# Altium PCB 400118.PcbDoc (part 1 of 3) (continued)
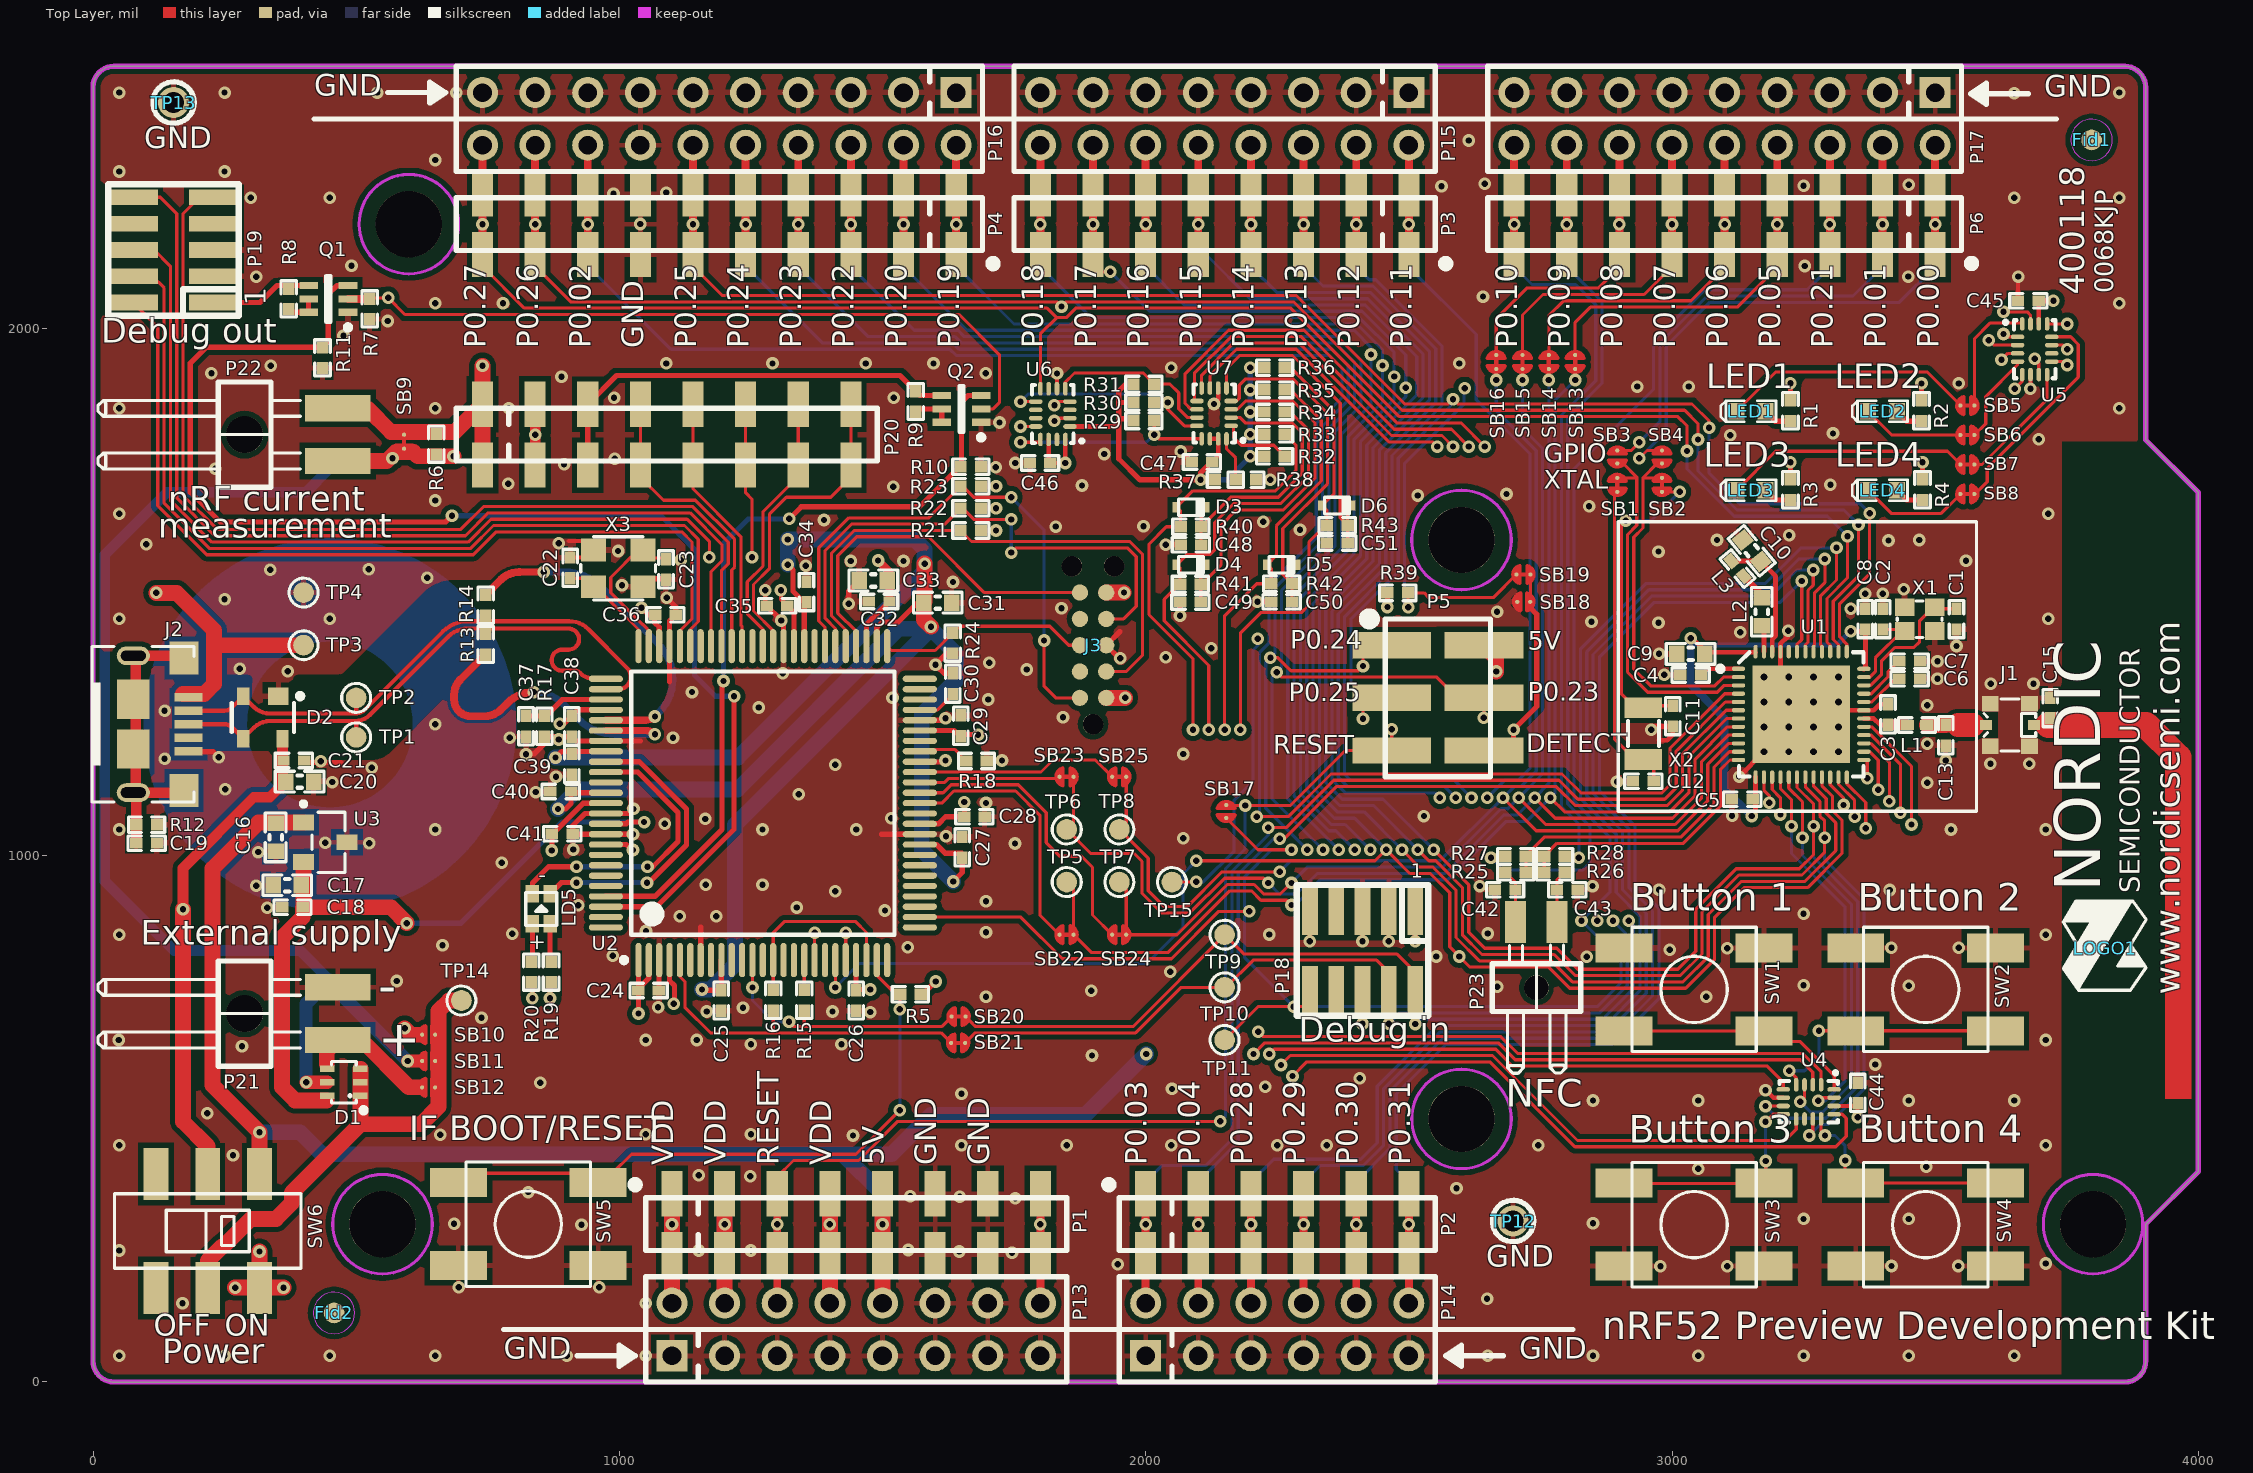
[diagram p0: Top Layer view]
## Components (designator, comment, footprint, x,y, rotation, side; value= is the part's Value field where it differs from the comment)
Bat1 "Bat Holder CR2032" CR2032_HOLDER_SMD 449.54,1248.46 r270 bottom
C1 "12pF" CAPC1005X04L 3540,1448.63 r270 top (schematic designator C7)
C2 "12pF" CAPC1005X04L 3400,1448.62 r90 top
C3 "0.8pF" CAPC1005X04L 3410,1267.62 r270 top (schematic designator C20)
C4 "100nF" CAPC1005X04L 3035,1342.62 r180 top (schematic designator C5)
C5 "100nF" CAPC1005X04L 3133,1106.62 r180 top (schematic designator C6)
C6 "N.C." CAPC1005X04L 3451,1335.62 r0 top (schematic designator C8)
C7 "100pF" CAPC1005X04L 3451,1368.62 r0 top (schematic designator C11)
C8 "100nF" CAPC1005X04L 3367,1448.62 r90 top (schematic designator C12)
C9 "4.7µF" CAPC1608X06L 3035,1382.62 r180 top
C10 "1.0µF" CAPC1608X06L 3151.03,1578.62 r310 top (schematic designator C7)
C11 "12pF" CAPC1005X04L 3001.15,1264.31 r90 top
C12 "12pF" CAPC1005X04L 2945.15,1140.31 r0 top
C13 "N.C." CAPC1005X04L 3519.54,1228.07 r270 top
C15 "1.2pF" CAPC1005X04L 3718.41,1279.62 r90 top
C16 "1.0µF" CAPC1608X06L 346.54,1034.06 r90 top
C17 "1.0µF" CAPC1608X06L 368.54,943.06 r0 top
C18 "100nF" CAPC1005X04L 378.54,901.06 r0 top
C19 "100nF" CAPC1005X04L 101.38,1023.06 r180 top
C20 "10µF" CAPC1608X06L 392.14,1140.06 r180 top
C21 "100nF" CAPC1005X04L 381.14,1180.06 r180 top
C22 "18pF" CAPC1005X04L 906.14,1546.06 r90 top
C23 "18pF" CAPC1005X04L 1088.14,1543.06 r270 top
C24 "100nF" CAPC1005X04L 1055.14,743.06 r180 top
C25 "100nF" CAPC1005X04L 1193.14,724.06 r90 top
C26 "100nF" CAPC1005X04L 1449.54,724.06 r90 top
C27 "100nF" CAPC1005X04L 1651.14,1015.06 r270 top
C28 "100nF" CAPC1005X04L 1674.14,1073.06 r180 top
C29 "100nF" CAPC1005X04L 1648.14,1246.06 r270 top
C30 "10nF" CAPC1005X04L 1633.14,1326.06 r270 top
C31 "10µF" CAPC1608X06L 1604.54,1480.06 r180 top
C32 "100nF" CAPC1005X04L 1493.14,1482.06 r0 top
C33 "10µF" CAPC1608X06L 1482.14,1522.06 r0 top
C34 "100nF" CAPC1005X04L 1355.14,1500.06 r270 top
C35 "100nF" CAPC1005X04L 1299.14,1474.06 r0 top
C36 "100nF" CAPC1005X04L 1087.14,1457.06 r0 top
C37 "10pF" CAPC1005X04L 822.14,1245.06 r90 top
C38 "100nF" CAPC1005X04L 909.14,1245.06 r90 top
C39 "100nF" CAPC1005X04L 909.14,1173.06 r90 top
C40 "100nF" CAPC1005X04L 888.14,1121.06 r0 top
C41 "100nF" CAPC1005X04L 891.14,1041.06 r180 top
C42 "130pF" CAPC1005X04L 2682.54,934.46 r180 top
C43 "130pF" CAPC1005X04L 2800.54,934.46 r180 top
C44 "100nF" CAPC1005X04L 3352.2,548.47 r270 top
C45 "100nF" CAPC1005X04L 3676.54,2053.46 r0 top
C46 "100nF" CAPC1005X04L 1798.84,1745.24 r0 top
C47 "100nF" CAPC1005X04L 2106.53,1747.24 r0 top
C48 "1.0µF" CAPC1005X04L 2085.53,1590.24 r180 top
C49 "1.0µF" CAPC1005X04L 2084.61,1481.24 r0 top
C50 "1.0µF" CAPC1005X04L 2257.84,1481.93 r0 top
C51 "1.0µF" CAPC1005X04L 2363.61,1593.16 r180 top
D1 "SD103ATW-7-F" SOT-363 507.54,543.06 r90 top
D2 "PRTR5V0U2X" SOT190P230X110-4L 322.14,1262.06 r270 top
D3 "1PS79SB30.115" SOD-523 2085.75,1661.24 r180 top
D4 "1PS79SB30.115" SOD-523 2085.84,1552.24 r180 top
D5 "1PS79SB30.115" SOD-523 2257.84,1552.24 r180 top
D6 "1PS79SB30.115" SOD-523 2362.84,1664.46 r180 top
Fid1 "Fiducial mark" Fiducial 3796.81,2359.06 r180 top
Fid2 "Fiducial mark" Fiducial 457.54,130.46 r0 top
J1 "MM8130-2600" COAXIAL-SWF 3641.41,1247.62 r90 top
J2 "MicroUSB-B" FCI_10118193-0001LF 181.38,1249.06 r0 top
J3 "TC2050-IDC" TC2050-IDC-NLFP 1899.54,1399.06 r90 top
L1 "3.9nH" INDC1005X04L 3465,1247.62 r0 top (schematic designator L2)
L2 "10µH" INDC1608X06L 3170,1462.62 r270 top (schematic designator L4)
L3 "15nH" INDC1005X04L 3124.03,1544.62 r310 top (schematic designator L5)
LD5 "LTST-C195KGJRKT" LED_DUAL_0606 851.14,898.06 r180 top (schematic designator LD3)
LED1 "L0603G" LED_0603_G 3149.53,1843.46 r0 top
LED2 "L0603G" LED_0603_G 3399.53,1843.46 r0 top
LED3 "L0603G" LED_0603_G 3149.53,1693.46 r0 top
LED4 "L0603G" LED_0603_G 3399.53,1693.46 r0 top
LOGO1 "Nordic Logo M" NORDIC_LOGO_M 3822.45,823.39 r90 top
P1 "Socket 1x8" SOCKET_1x8_SMD 1099.54,299.06 r0 top locked (schematic designator P11)
P2 "Socket 1x6" SOCKET_1x6_SMD 1999.54,299.06 r0 top locked (schematic designator P12)
P3 "Socket 1x8" SOCKET_1x8_SMD 2499.54,2199.06 r180 top locked (schematic designator P8)
P4 "Socket 1x10" SOCKET_1x10_SMD 1639.54,2199.06 r180 top locked (schematic designator P9)
P5 "Pin Hdr 2x3" "Molex 15-91-2060" 2554.54,1299.06 r270 top locked (schematic designator P6)
P6 "Socket 1x9" SOCKET_1x9_SMD 3499.54,2199.07 r180 top locked
P7 "Pin List 1x8" LIST_1x8_SMD 1099.54,299.06 r0 bottom locked (schematic designator POWER)
P8 "Pin List 1x6" LIST_1x6_SMD 1999.54,299.06 r0 bottom locked (schematic designator AD)
P9 "Pin List 1x8" LIST_1x8_SMD 2499.54,2199.06 r180 bottom locked (schematic designator IOL)
P10 "Pin List 1x10" LIST_1x10_SMD 1639.54,2199.06 r180 bottom locked (schematic designator IOH)
P11 "Socket 2x3" SOCKET_2x3_SMD-2.54mm-bottom 2554.54,1299.06 r270 top locked (schematic designator ICSP)
P12 "Pin List 1x9" LIST_1x9_SMD 3499.54,2199.07 r180 bottom locked
P13 "Pin Header 2x8" HDR_2x8 1449.54,99.06 r0 top locked
P14 "Pin Header 2x6" HDR_2x6 2249.54,99.06 r0 top locked
P15 "Pin Header 2x8" HDR_2x8 2149.54,2399.06 r180 top locked
P16 "Pin Header 2x10" HDR_2x10 1189.54,2399.06 r180 top locked
P17 "Pin Header 2x9" HDR_2x9 3099.54,2399.07 r180 top
P18 "FTSH-105" FTSH-105-K 2411.54,819.24 r180 top
P19 "FTSH-105" FTSH-105-K 152.54,2150.06 r90 top locked
P20 "Pin List 1x8" LIST_1x8_SMD 739.54,1799.06 r0 top
P21 "Pin List 1x2, Angled" LIST_ANG_1x2-SMD-2.54MM 464.54,699.06 r270 top
P22 "Pin List 1x2, Angled" LIST_ANG_1x2-SMD-2.54MM 464.54,1799.06 r270 top
P23 "Pin List 1x2, Angled" LIST_ANG_1x2-SMD-2.00MM 2702.54,873.46 r0 top
Q1 "FDG6321C" SOT65P210X100-6N 446.54,2057.06 r180 top
Q2 "FDG6321C" SOT65P210X100-6N 1649.54,1848.06 r180 top
R1 "220R" RESC1005X04L 3224.54,1844.46 r90 top
R2 "220R" RESC1005X04L 3473.54,1844.46 r90 top
R3 "220R" RESC1005X04L 3224.54,1694.46 r90 top
R4 "220R" RESC1005X04L 3475.54,1694.46 r90 top
R5 "10k" RESC1005X04L 1552.54,736.06 r0 top
R6 "N.C." RESC1005X04L 651.54,1781.06 r90 top
R7 "47k" RESC1005X04L 525.54,2038.06 r270 top
R8 "10k" RESC1005X04L 371.54,2057.06 r270 top
R9 "10k" RESC1005X04L 1562.54,1862.06 r270 top
R10 "10k" RESC1005X04L 1667.38,1738.06 r180 top
R11 "10k" RESC1005X04L 435.54,1945.06 r90 top
R12 "10k" RESC1005X04L 101.38,1058.06 r180 top
R13 "39R" RESC1005X04L 745.55,1400.77 r90 top
R14 "39R" RESC1005X04L 745.55,1475 r270 top
R15 "150R" RESC1005X04L 1350.88,724.46 r270 top
R16 "150R" RESC1005X04L 1291.88,724.46 r270 top
R17 "6k8" RESC1005X04L 857.14,1245.06 r90 top
R18 "1k" RESC1005X04L 1678.14,1179.06 r180 top
R19 "220R" RESC1005X04L 869.87,778.06 r270 top
R20 "220R" RESC1005X04L 832.41,778.06 r270 top
R21 "4k7" RESC1005X04L 1667.38,1617.06 r0 top
R22 "4k7" RESC1005X04L 1667.38,1659.06 r0 top
R23 "4k7" RESC1005X04L 1667.38,1701.06 r0 top
R24 "4k7" RESC1005X04L 1633.14,1403.06 r270 top
R25 "0R" RESC1005X04L 2702.38,968.06 r0 top
R26 "0R" RESC1005X04L 2776.38,968.06 r180 top
R27 "N.C." RESC1005X04L 2702.38,998.06 r0 top
R28 "N.C." RESC1005X04L 2776.38,998.06 r180 top
R29 "4k7" RESC1005X04L 1996.16,1825.24 r180 top
R30 "4k7" RESC1005X04L 1996.16,1860.24 r180 top
R31 "12k" RESC1005X04L 1996.16,1895.24 r180 top
R32 "12k" RESC1005X04L 2244.47,1758.09 r180 top
R33 "100k" RESC1005X04L 2244.47,1800.09 r180 top
R34 "100k" RESC1005X04L 2244.47,1842.09 r180 top
R35 "100k" RESC1005X04L 2244.47,1884.09 r180 top
R36 "100k" RESC1005X04L 2244.47,1926.09 r180 top
R37 "N.C." RESC1005X04L 2150.84,1713.24 r180 top
R38 "0R" RESC1005X04L 2190.21,1713.24 r180 top
R39 "1M0" RESC1005X04L 2478.54,1498.46 r180 top
R40 "18k" RESC1005X04L 2085.53,1624.24 r180 top
R41 "18k" RESC1005X04L 2084.61,1515.24 r180 top
R42 "18k" RESC1005X04L 2257.84,1515.93 r180 top
R43 "18k" RESC1005X04L 2363.61,1627.16 r180 top
SB1 "Solderbridge" Solderbridge_Shorted 2895.54,1690.46 r90 top net-tie
SB2 "Solderbridge" Solderbridge_Shorted 2980.54,1690.46 r90 top net-tie
SB3 "Solderbridge" Solderbridge#1 2895.54,1744.46 r90 top
SB4 "Solderbridge" Solderbridge#1 2980.54,1744.46 r90 top
SB5 "Solderbridge" Solderbridge_Shorted 3574.04,1854.46 r180 top net-tie (schematic designator SB6)
SB6 "Solderbridge" Solderbridge_Shorted 3574.04,1798.46 r180 top net-tie
SB7 "Solderbridge" Solderbridge_Shorted 3574.04,1742.46 r180 top net-tie
SB8 "Solderbridge" Solderbridge_Shorted 3574.04,1686.46 r180 top net-tie
SB9 "Solderbridge" Solderbridge_Shorted 590.54,1799.06 r270 top net-tie
SB10 "Solderbridge" Solderbridge#1 649.54,659.06 r180 top
SB11 "Solderbridge" Solderbridge#1 649.54,609.06 r180 top
SB12 "Solderbridge" Solderbridge#1 649.54,559.06 r180 top
SB13 "Solderbridge" Solderbridge_Shorted 2815.54,1950.46 r270 top net-tie
SB14 "Solderbridge" Solderbridge_Shorted 2765.54,1950.46 r270 top net-tie
SB15 "Solderbridge" Solderbridge_Shorted 2715.54,1950.46 r270 top net-tie
SB16 "Solderbridge" Solderbridge_Shorted 2665.54,1950.46 r270 top net-tie
SB17 "Solderbridge" Solderbridge#2 2152.54,1095.46 r270 top
SB18 "Solderbridge" Solderbridge#2 2705.54,1481.46 r0 top
SB19 "Solderbridge" Solderbridge_Shorted 2730.54,1533.46 r180 top net-tie
SB20 "Solderbridge" Solderbridge_Shorted 1657.55,693.46 r180 top net-tie
SB21 "Solderbridge" Solderbridge_Shorted 1656.55,643.46 r180 top net-tie
SB22 "Solderbridge" Solderbridge_Shorted 1862.54,849.06 r180 top net-tie
SB23 "Solderbridge" Solderbridge_Shorted 1862.54,1149.06 r180 top net-tie
SB24 "Solderbridge" Solderbridge_Shorted 1962.54,849.06 r180 top net-tie
SB25 "Solderbridge" Solderbridge_Shorted 1962.54,1149.06 r180 top net-tie
SW1 "PB SW" ALPS_SKHUxxx010_WO_GND 3041.53,745.12 r180 top
SW2 "PB SW" ALPS_SKHUxxx010_WO_GND 3481.53,745.12 r180 top
SW3 "PB SW" ALPS_SKHUxxx010_WO_GND 3041.53,298.12 r0 top
SW4 "PB SW" ALPS_SKHUxxx010_WO_GND 3481.53,298.12 r0 top
SW5 "PB SW" ALPS_SKHUxxx010_WO_GND 826.54,299.06 r0 top
SW6 "Switch" JS202011SCQN 217.54,286.06 r0 top
TP1 "Ø1.0mm,SMD" TP_SMD_Ø1.0mm 499.54,1224.06 r0 top
TP2 "Ø1.0mm,SMD" TP_SMD_Ø1.0mm 499.54,1299.06 r0 top
TP3 "Ø1.0mm,SMD" TP_SMD_Ø1.0mm 399.54,1399.06 r0 top
TP4 "Ø1.0mm,SMD" TP_SMD_Ø1.0mm 399.54,1499.06 r0 top
TP5 "Ø1.0mm,SMD" TP_SMD_Ø1.0mm 1849.54,949.06 r0 top
TP6 "Ø1.0mm,SMD" TP_SMD_Ø1.0mm 1849.54,1049.06 r0 top
TP7 "Ø1.0mm,SMD" TP_SMD_Ø1.0mm 1949.54,949.06 r0 top
TP8 "Ø1.0mm,SMD" TP_SMD_Ø1.0mm 1949.54,1049.06 r0 top
TP9 "Ø1.0mm,SMD" TP_SMD_Ø1.0mm 2149.54,849.06 r0 top
TP10 "Ø1.0mm,SMD" TP_SMD_Ø1.0mm 2149.54,749.06 r0 top
TP11 "Ø1.0mm,SMD" TP_SMD_Ø1.0mm 2149.54,649.06 r90 top
TP12 "TP" TESTPAD-TH 2697.54,305.06 r0 top
TP13 "TP" TESTPAD-TH 152.54,2430.06 r0 top
TP14 "Ø1.0mm,SMD" TP_SMD_Ø1.0mm 699.54,724.06 r270 top
TP15 "Ø1.0mm,SMD" TP_SMD_Ø1.0mm 2049.54,949.06 r90 top
U1 "nRF52832-QFAA" QFN40P600X600X90-48N 3245,1267.62 r0 top
U2 "ATSAM3U2CA-AU" TSQFP50P1600X1600X160-100N 1272.14,1099.06 r90 top locked
U3 "AP7333-33SAG-7" SOT-23A 399.54,1062.06 r270 top
U4 "NX3DV2567" XQFN40P180X260X50-16N 3259.2,531.47 r270 top
U5 "NX3DV2567" XQFN40P180X260X50-16N 3688.54,1961.46 r0 top
U6 "NX3DV2567" XQFN40P180X260X50-16N 1823.16,1838.24 r180 top
U7 "PCAL6408A" XQFN40P180X260X50-16N 2129.47,1839.46 r180 top
X1 "32MHz" BT-XTAL_2016 3470,1448.63 r180 top
X2 "32.768kHz" XTAL_3215 2945.15,1231.31 r270 top
X3 "12MHz" BT-XTAL_3225 997.14,1545.06 r180 top

## Footprints (in the part's own frame and the unit in brackets; to place one, negate y for a bottom-side part, rotate by r counter-clockwise, add the part's x,y. Pads: shape width x height; smd on the part's side, far side on the other; paste and mask are expansions set on the pad)
ALPS_SKHUxxx010_WO_GND [mm] "6.2×6.5mm TACT Switch, without ground connector"
  rect 2.75x1.4 smd: 1(-3.375,2) 1(3.375,2) 2(-3.375,-2) 2(3.375,-2)
  silkscreen extent -3,-3 3,3, body extent -4,-3 4,3.3, height 3.1
BT-XTAL_2016 [mm] "Crystal 2.0 x 1.6 mm"
  rect 0.95x0.85 smd: 1(-0.725,-0.575) 2(0.725,-0.575) 3(0.725,0.575) 4(-0.725,0.575)
  silkscreen extent -1.08,-0.88 1.08,0.88, body extent -1.05,-0.85 1.05,0.85, height 0.56
BT-XTAL_3225 [mm] "Mercury X32 series"
  rect 1.2x1.1 smd: 1(-1.194,-0.89) 2(1.194,-0.89) 3(1.194,0.891) 4(-1.194,0.891)
  silkscreen extent -1.8,-1.52 1.8,1.52, body extent -1.6,-1.25 1.61,1.25, height 0.81
CAPC1005X04L [mm] "Chip Capacitor, 2-Leads, Body 1.0x0.5mm, IPC High Density"
  rect 0.6x0.5 smd: 1(-0.5,0) 2(0.5,0)
  silkscreen extent -0.9,-0.35 0.9,0.35, body extent -0.51,-0.25 0.51,0.25, height 0.5
CAPC1608X06L [mm] "Chip Capacitor, 2-Leads, Body 1.6x0.8mm, IPC High Density"
  rect 0.75x0.8 smd: 1(-0.675,0) 2(0.675,0)
  silkscreen extent -1.17,-0.5 1.17,0.5, body extent -0.8,-0.43 0.8,0.43, height 0.8
COAXIAL-SWF [mm]
  rect 0.5x0.58 smd: 1(0,1.16) 3(0,-1.16)
  rect 0.75x0.8 smd: 2(-1.025,-0.95) 2(-1.025,0.95) 2(1.025,-0.95) 2(1.025,0.95)
  Top Layer pour cut-out: 0.65,-0.55 -0.65,-0.55 -0.65,-1.35 0.65,-1.35
  Top Layer pour cut-out: -0.65,0.55 0.65,0.55 0.65,1.35 -0.65,1.35
  silkscreen extent -1.25,-1.25 1.25,1.25
CR2032_HOLDER_SMD [mm] "CR2032 - SMD mount coin cell bat holder"
  round 18 on Bottom Solder paste+0: 0(0,0)
  rect 5.08x5.08 smd: 1(-13.081,0) 1(13.081,0)
  rrect50% 10x10 smd paste-9: 2(0,0)
  Top Layer circle w5: c0,0 r6.5
  silkscreen extent -10.54,-9.53 10.54,11.43, body extent -15.37,-10.27 15.37,9.78, height 3.96
FCI_10118193-0001LF [mm] "Micro USB B SMT"
  rect 1.35x0.4 smd: 1(0,1.3) 2(0,0.65) 3(0,0) 4(0,-0.65) 5(0,-1.3)
  oval 1.6x0.9 hole 0.5 slot 1.2 at 0 deg: 6(-2.675,-3.3) 6(-2.675,3.3)
  oval 2x1.5 on Top Paste: 6(-2.675,-3.3) 6(-2.675,3.3)
  rect 1.55x1.9 smd: 6(-2.675,-1.2) 6(-2.675,1.2)
  rect 1.4x1.6 smd: 6(-0.225,-3.2) 6(-0.225,3.2)
  silkscreen extent -4.75,-3.75 0.25,3.75, body extent -5.28,-4.1 0.15,4.1, height 2.72
Fiducial [mm] "Fiducial Mark"
  round 1 smd paste-10 mask+0.5: 0(0,0)
  round 1 smd far side paste-10 mask+0.5: 0(0,0)
  Keep-Out Layer circle w0.01: c0,0 r1
FTSH-105-K [mm] "SMT MICRO HEADER, (1,27) .050\" Keying Shroud"
  rect 0.76x2.4 smd: 1(-2.54,-1.95) 2(-2.54,1.95) 3(-1.27,-1.95) 4(-1.27,1.95) 5(0,-1.95) 6(0,1.95) 7(1.27,-1.95) 8(1.27,1.95) 9(2.54,-1.95) 10(2.54,1.95)
  silkscreen extent -3.18,-3.15 3.18,3.15, body extent -3.14,-2.92 3.14,2.92, height 5.71
HDR_2x6 [mm] "Pin Header, 2.54mm through hole"
  rect 1.5x1.5 hole 0.9: 1(-6.35,-1.27)
  round 1.5 hole 0.9: 2(-6.35,1.27) 3(-3.81,-1.27) 4(-3.81,1.27) 5(-1.27,-1.27) 6(-1.27,1.27) 7(1.27,-1.27) 8(1.27,1.27) 9(3.81,-1.27) 10(3.81,1.27) 11(6.35,-1.27) 12(6.35,1.27)
  silkscreen extent -7.62,-2.54 7.62,2.54
HDR_2x8 [mm] "Pin Header, 2.54mm through hole"
  rect 1.5x1.5 hole 0.9: 1(-8.89,-1.27)
  round 1.5 hole 0.9: 2(-8.89,1.27) 3(-6.35,-1.27) 4(-6.35,1.27) 5(-3.81,-1.27) 6(-3.81,1.27) 7(-1.27,-1.27) 8(-1.27,1.27) 9(1.27,-1.27) 10(1.27,1.27) 11(3.81,-1.27) 12(3.81,1.27) 13(6.35,-1.27) 14(6.35,1.27) 15(8.89,-1.27) 16(8.89,1.27)
  silkscreen extent -10.16,-2.54 10.16,2.54
HDR_2x9 [mm] "Pin Header, 2.54mm through hole"
  rect 1.5x1.5 hole 0.9: 1(-10.16,-1.27)
  round 1.5 hole 0.9: 2(-10.16,1.27) 3(-7.62,-1.27) 4(-7.62,1.27) 5(-5.08,-1.27) 6(-5.08,1.27) 7(-2.54,-1.27) 8(-2.54,1.27) 9(0,-1.27) 10(0,1.27) 11(2.54,-1.27) 12(2.54,1.27) 13(5.08,-1.27) 14(5.08,1.27) 15(7.62,-1.27) 16(7.62,1.27) 17(10.16,-1.27) 18(10.16,1.27)
  silkscreen extent -11.43,-2.54 11.43,2.54
HDR_2x10 [mm] "Pin Header, 2.54mm through hole"
  rect 1.5x1.5 hole 0.9: 1(-11.43,-1.27)
  round 1.5 hole 0.9: 2(-11.43,1.27) 3(-8.89,-1.27) 4(-8.89,1.27) 5(-6.35,-1.27) 6(-6.35,1.27) 7(-3.81,-1.27) 8(-3.81,1.27) 9(-1.27,-1.27) 10(-1.27,1.27) 11(1.27,-1.27) 12(1.27,1.27) 13(3.81,-1.27) 14(3.81,1.27) 15(6.35,-1.27) 16(6.35,1.27) 17(8.89,-1.27) 18(8.89,1.27) 19(11.43,-1.27) 20(11.43,1.27)
  silkscreen extent -12.7,-2.54 12.7,2.54
INDC1005X04L [mm] "Chip Inductor, 2-Leads, Body 1.0x0.5mm, IPC High Density"
  rect 0.65x0.5 smd: 1(-0.475,0) 2(0.475,0)
  silkscreen extent -0.9,-0.35 0.9,0.35, body extent -0.5,-0.3 0.5,0.3, height 0.5
INDC1608X06L [mm] "Chip Inductor, 2-Leads, Body 1.6x0.8mm, IPC High Density"
  rect 0.75x0.8 smd: 1(-0.675,0) 2(0.675,0)
  silkscreen extent -1.17,-0.5 1.17,0.5, body extent -0.8,-0.48 0.8,0.48, height 0.8
JS202011SCQN [mm] "Slide Switches - DPDT, SMD, ON-ON"
  rect 1.2x2.5 smd: 1(-2.5,-2.75) 2(0,-2.75) 3(2.5,-2.75) 4(-2.5,2.75) 5(0,2.75) 6(2.5,2.75)
  silkscreen extent -4.5,-1.8 4.5,1.8, body extent -4.52,-3.75 4.52,3.75, height 5.5
LED_0603_G [mil] "SMD Super Bright LED, GREEN"
  rect 30x32 smd: 1(-27.5,0) 2(27.5,0)
  silkscreen extent -58,-20 48,20, body extent -32,-16 32,16, height 24
LED_DUAL_0606 [mm]
  rect 0.65x0.85 smd paste+0: 1(0.425,0.725) 2(-0.425,0.725) 3(0.425,-0.725) 4(-0.425,-0.725)
  silkscreen extent -0.75,-0.8 0.75,0.8, body extent -0.75,-0.8 0.75,0.8, height 0.55
LIST_1x6_SMD [mm] "Pin List, 2.54mm, SMD"
  rect 1.02x2.19 smd: 1(0,-1.465) 1(0,1.465) 2(2.54,-1.465) 2(2.54,1.465) 3(5.08,-1.465) 3(5.08,1.465) 4(7.62,-1.465) 4(7.62,1.465) 5(10.16,-1.465) 5(10.16,1.465) 6(12.7,-1.465) 6(12.7,1.465)
  silkscreen extent -1.27,-1.27 13.97,1.27
LIST_1x8_SMD [mm] "Pin List, 2.54mm, SMD"
  rect 1.02x2.19 smd: 1(0,-1.465) 1(0,1.465) 2(2.54,-1.465) 2(2.54,1.465) 3(5.08,-1.465) 3(5.08,1.465) 4(7.62,-1.465) 4(7.62,1.465) 5(10.16,-1.465) 5(10.16,1.465) 6(12.7,-1.465) 6(12.7,1.465) 7(15.24,-1.465) 7(15.24,1.465) 8(17.78,-1.465) 8(17.78,1.465)
  silkscreen extent -1.27,-1.27 19.05,1.27
LIST_1x9_SMD [mm] "Pin List, 2.54mm, SMD"
  rect 1.02x2.19 smd: 1(0,-1.465) 1(0,1.465) 2(2.54,-1.465) 2(2.54,1.465) 3(5.08,-1.465) 3(5.08,1.465) 4(7.62,-1.465) 4(7.62,1.465) 5(10.16,-1.465) 5(10.16,1.465) 6(12.7,-1.465) 6(12.7,1.465) 7(15.24,-1.465) 7(15.24,1.465) 8(17.78,-1.465) 8(17.78,1.465) 9(20.32,-1.465) 9(20.32,1.465)
  silkscreen extent -1.27,-1.27 21.59,1.27
LIST_1x10_SMD [mm] "Pin List, 2.54mm, SMD"
  rect 1.02x2.19 smd: 1(0,-1.465) 1(0,1.465) 2(2.54,-1.465) 2(2.54,1.465) 3(5.08,-1.465) 3(5.08,1.465) 4(7.62,-1.465) 4(7.62,1.465) 5(10.16,-1.465) 5(10.16,1.465) 6(12.7,-1.465) 6(12.7,1.465) 7(15.24,-1.465) 7(15.24,1.465) 8(17.78,-1.465) 8(17.78,1.465) 9(20.32,-1.465) 9(20.32,1.465) 10(22.86,-1.465) 10(22.86,1.465)
  silkscreen extent -1.27,-1.27 24.13,1.27
LIST_ANG_1x2-SMD-2.00MM [mm] "Pin List, 2.00mm, Surface Mount, Angled"
  round 1.19 hole 1.19: 0(1,-3.175)
  rect 1.02x2.03 smd: 1(0,0) 2(2,0)
  silkscreen extent -1.13,-7.31 3.14,-1.11, body extent -1,-7.38 3,0.62, height 1.9
LIST_ANG_1x2-SMD-2.54MM [mm] "Pin List, 2.54mm, Surface Mount, Angled"
  round 1.78 hole 1.78: 0(0,-4.496)
  rect 1.27x3.18 smd: 1(-1.27,0) 2(1.27,0)
  silkscreen extent -2.54,-11.58 2.54,-1.8, body extent -2.56,-11.61 2.52,1.35, height 3.03
"Molex 15-91-2060" [mil] "MOLEX - 15-91-2060 - BOARD-BOARD CONN, HEADER, 6WAY, 2ROW"